# Altium PCB WiPy_Eval.PcbDoc (part 2 of 2)
Units mm, origin at the board's own origin, x right, y up, seen from the top; angles counter-clockwise.
Board outline 75 x 90 mm, 2 copper layers (Top Layer, Bottom Layer), stack 1.621 mm thick; 158 components, 120 nets, 580 pads, 606 vias.
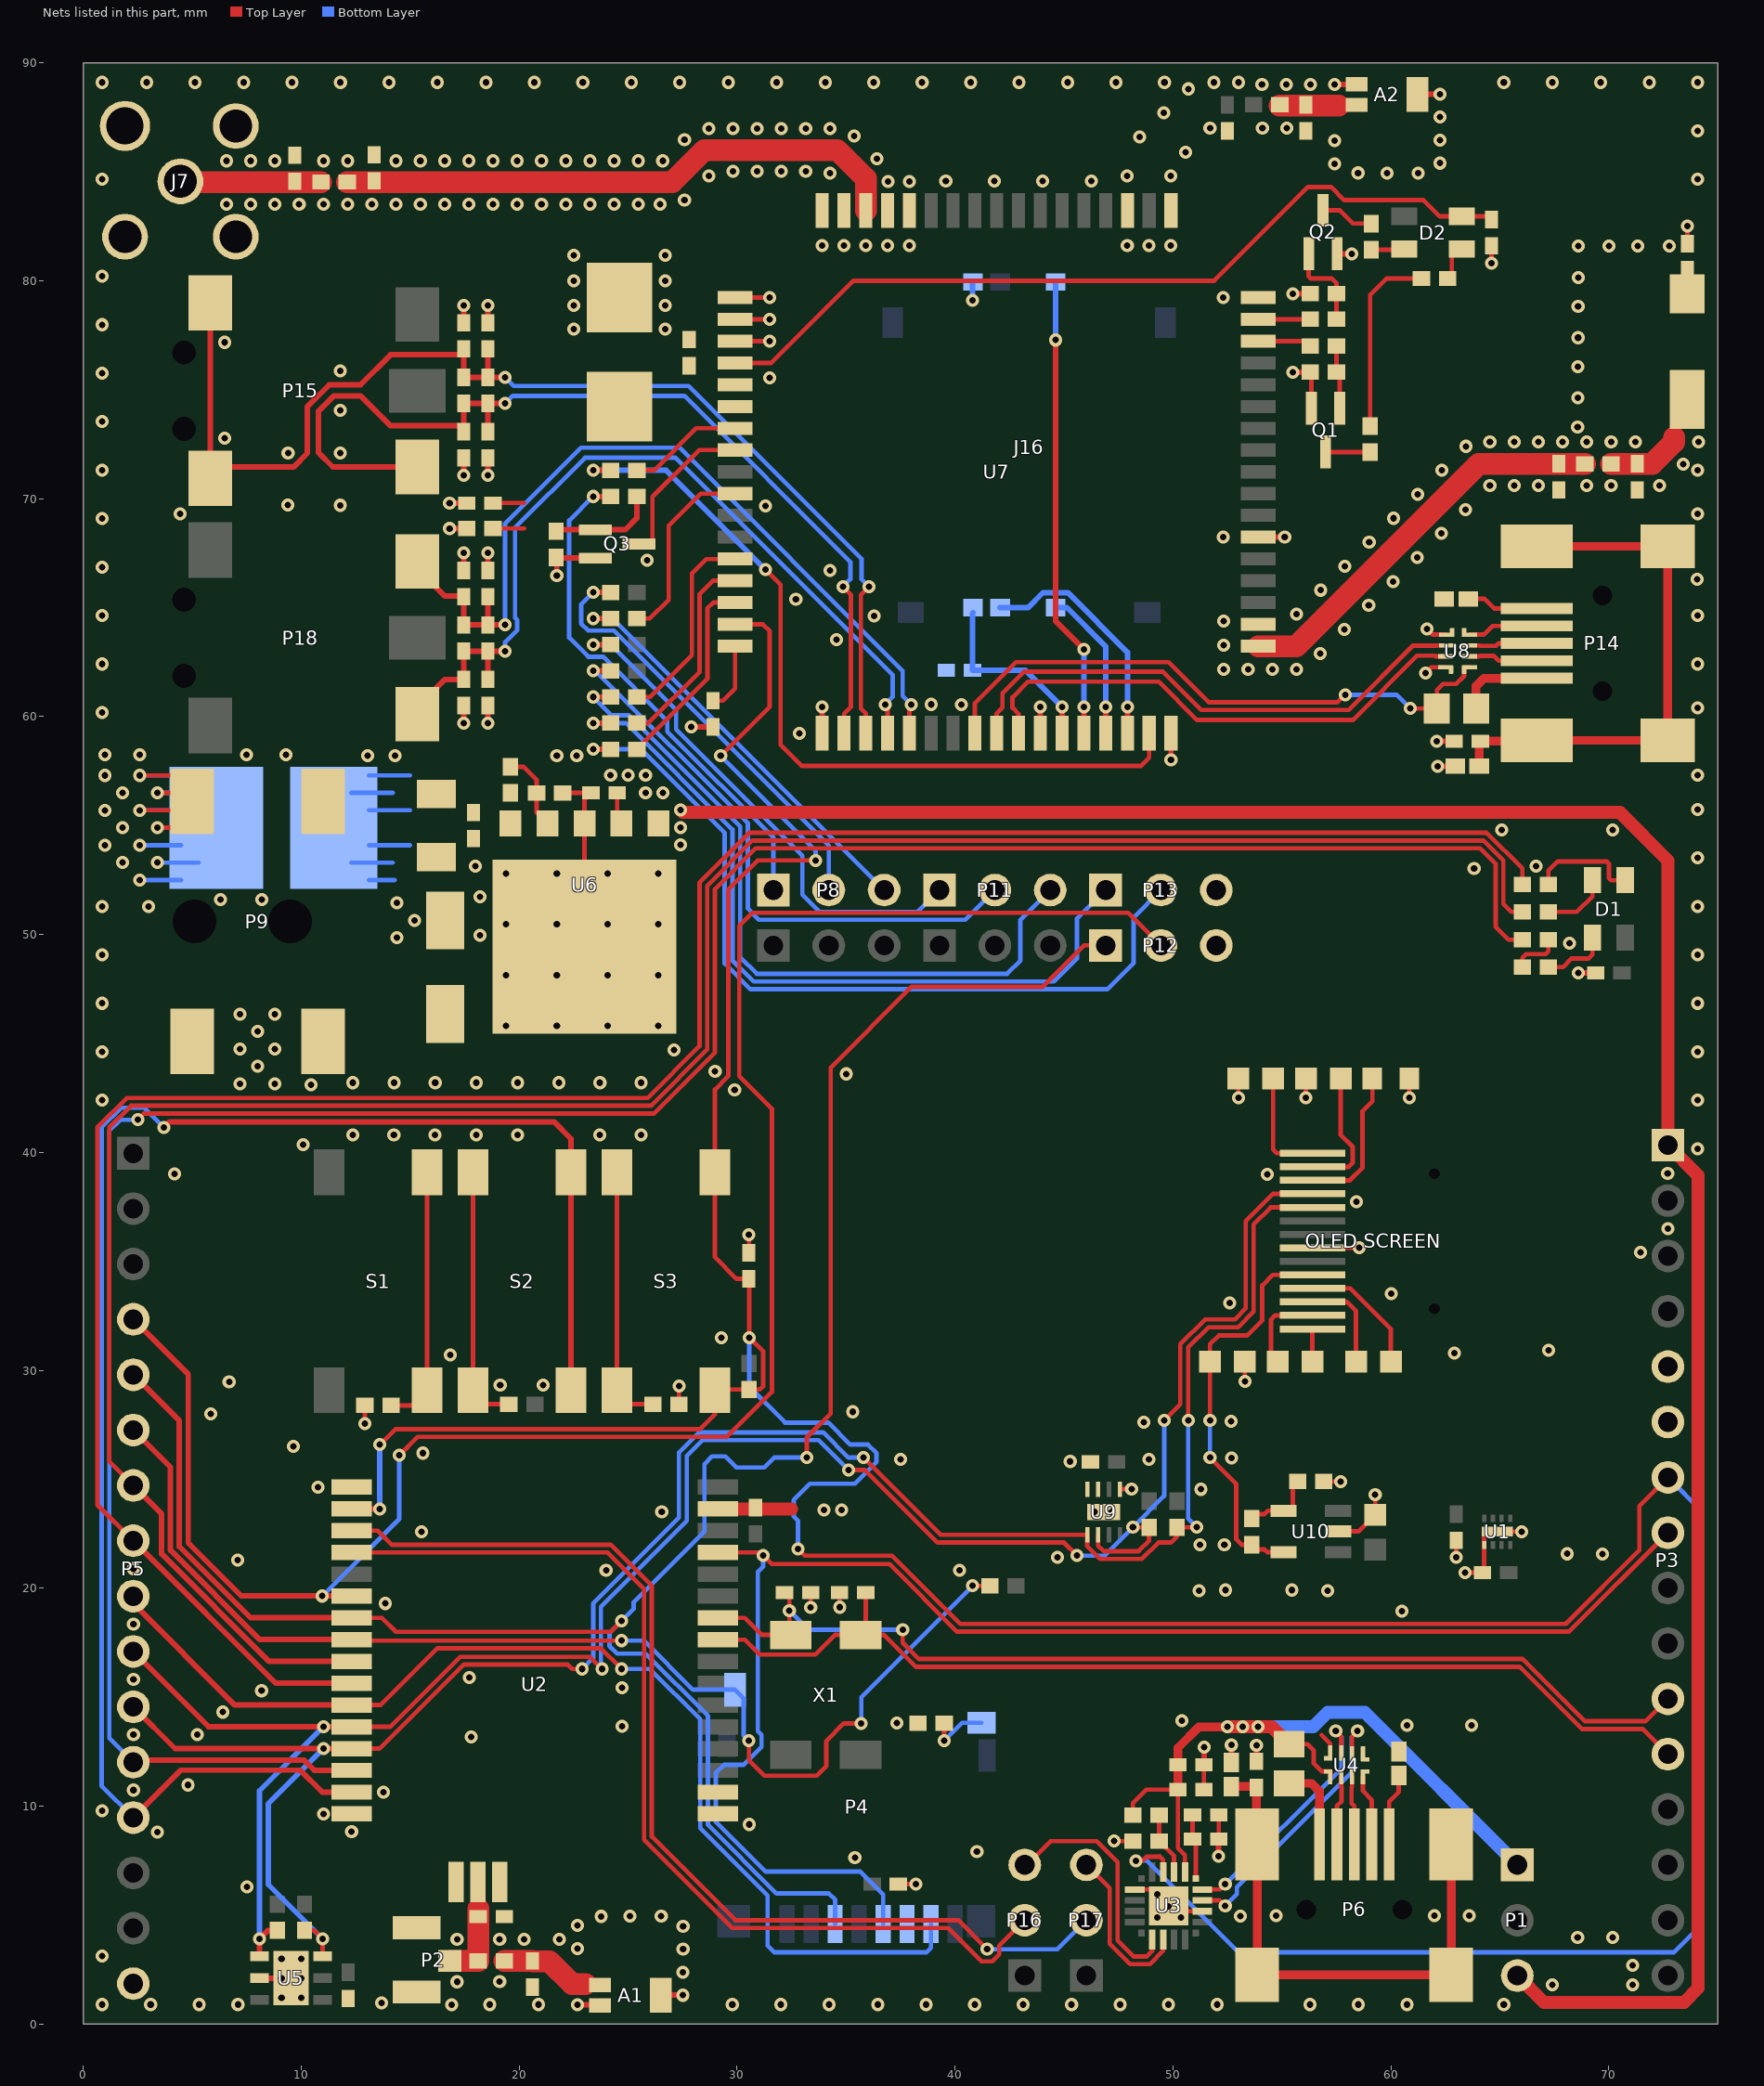
[diagram p2: the nets of this part, all layers, seen from the top]

## Via types
v1: diameter 0.6, hole 0.3, Top Layer to Bottom Layer, tented both sides, 584 vias
v2: diameter 0.6, hole 0.3, Top Layer to Bottom Layer, tented bottom, 22 vias

## Nets (pads, with @x,y where several pads share a name; then routed paths per layer and width w, separated by ;. In a path a pad name is that pad's centre, name@x,y a point inside that pad or via, vN(x,y) a via of type N, cw(c..) or ccw(c..) an arc to the next point about the centre after c; other vN are vias at no path point) (continued)
GND: "OLED SCREEN.7" A1.2 A1.3 A2.1 A2.2 C1.1 C2.1 C3.1 C4.2 C5.1 C6.1 C7.1 C8.1 C9.1 C10.1 C11.1 C12.1 C13.1 C14.1 C15.1 C16.1 C17.1 C19.1 C20.1 C21.1 C22.2 C23.1 C24.1 C25.1 C26.1 C27.1 C28.1 C29.1 C30.1 C31.2 C32.2 C35.1 C36.1 C37.1 C38.2 C39.2 C40.1 C43.1 C44.1 C46.1 C47.1 C48.1 C49.1 C51.1 C53.1 C54.1 D3.1 FB1.2 FB2.2 FB3.2 FB4.2 J7.2 J7.3 J7.4 J7.5 J16.10 P2.2 P2.3 P3.5 P3.6 P4.6 P5.16 P9.2 P9.3 P12.3 P13.3 Q1.2 Q2.2 Q3.2 R1.2 R7.2 R10.2 R12.2 R15.1 R22.1 R23.2 R25.1 R26.2 R42.2 R43.2 U1.0 U1.5 U2.1 U2.16 U2.17 U2.19 U2.20 U2.21 U2.34 U3.3 U3.12 U3.EP U4.5 U4.8 U5.0 U5.2 U6.3 U6.6 U7.1 U7.2 U7.3 U7.18 U7.28 U7.34 U7.36 U7.40 U7.51 U7.52 U7.54 U7.64 U7.65 U7.67 U7.68 U8.5 U8.8 U9.1 U9.3 U9.4 U9.EP U10.2 | length 79.4
  Top Layer w0.203: v1(12.928,27.561) R1.2@12.928,28.392 ; R23.2@22,56.5 C7.1@23.3,56.5 23,56.2 U6.3@23,55.1 U6.6@23,49.445 ; R7.2@27.336,28.448 v1(27.336,29.279) ; U7.3@29.91,77.23 v1(31.5,77.23) ; U7.2@29.91,78.23 v1(31.5,78.23) ; U7.1@29.91,79.23 v1(31.5,79.23) ; C5.1@30.546,35.398 v1(30.546,36.229) ; v1(33.38,19.12) C10.1@33.38,19.8 ; v1(34.706,19.132) C9.1@34.706,19.812 ; C11.1@37.4,6.431 v1(38.2,6.431) ; v1(47.3,8.4) 48.161,8.4 R15.1@48.163,8.398 ; U9.1@47.57,24.55 v1(48.1,24.55) ; U3.12@48.25,6.181 49.05,6.181 U3.EP@49.8,5.431 50.05,5.181 U3.3@51.35,5.181 ; C14.1@51.426,10.763 C13.1@51.426,11.906 ; C15.1@52.1,8.5 C16.1@52.1,9.6 ; v1(53,42.5) C48.1@53,43.4 ; v1(53.3,29.5) C49.1@53.3,30.4 ; v1(56.1,42.5) C51.1@56.1,43.4 ; R22.1@56.3,75.8 56.35,75.75 Q1.2@56.35,74.15 ; 56.4,35.62 v1(58.548,35.62) ; 56.82,13.28 57.22,12.88 U4.8@57.22,12.448 ; R42.2@56.92,24.9 v1(57.7,24.9) ; U10.2@57.58,22.61 58.51,22.61 C53.1@59.28,23.38 v1(59.28,24.3) 59.28,24.48 v1@59.3,24.5 ; v1(60.85,42.5) R43.2@60.85,43.4 ; v1(61.6,62) 61.86,62.26 U8.8@62.51,62.26 ; v1(61.65,64.02) 61.91,63.76 U8.5@62.56,63.76 ; v1(63,21.421) C2.1@63,22.2 ; v1(63.4,20.72) C1.1@64.2,20.72 64.28,20.8 U1.5@64.28,21.99 U1.0@64.28,22.55 ; v1(64.62,80.8) C23.1@64.62,81.6 ; U1.0@65.1,22.6 v1(66,22.6) ; C46.1@73.6,81.7 v1(73.6,82.5)
  Top Layer w0.254: U5.2@8.086,2.11 U5.0@9.536,2.11 ; v1(16.81,68.63) R10.2@17.61,68.63 ; v1(16.81,69.8) C20.1@17.61,69.8 ; v1(17.46,59.705) C38.2@17.46,60.505 ; C43.1@17.46,66.705 v1(17.46,67.505) ; v1(17.46,71.07) C31.2@17.46,71.87 ; C36.1@17.46,78.07 v1(17.46,78.87) ; v1(18.56,59.705) C39.2@18.56,60.505 ; C44.1@18.56,66.705 v1(18.56,67.505) ; v1(18.56,71.07) C32.2@18.56,71.87 ; C35.1@18.56,78.07 v1(18.56,78.87) ; R26.2@21.7,67.3 R26.2@21.73,67.27 ; v1(21.73,66.47) R26.2@21.73,67.27 ; v1(22.684,0.881) A1.3@23.687,0.881 ; Q3.2@23.5,67.27 R26.2@21.73,67.27 ; A1.2@26.507,1.328 v1(27.521,1.328) ; v1(27.9,59.528) 28.888,59.528 C24.1@28.891,59.532 ; U7.18@33.91,59.23 v1(33.91,60.447) ; U7.28@43.91,59.23 v1(43.91,60.447) ; v1(49.91,58.013) U7.34@49.91,59.23 ; C13.1@51.426,11.906 v1(51.426,12.706) ; v1(52.1,7.7) C15.1@52.1,8.5 ; FB2.2@52.68,12.008 v1(52.68,12.808) ; C12.1@53.83,12.058 v1(53.83,12.8) ; U7.40@53.91,68.23 v1(55.127,68.23) ; v1(55.5,75.8) R22.1@56.3,75.8 ; v1(55.5,79.4) R25.1@56.3,79.4 ; v1(57.42,89.01) A2.1@58.423,89.01 ; Q2.2@57.53,81.237 v1(58.2,81.237) ; A2.2@61.243,88.563 v1(62.257,88.563) ; v1(62.1,58.87) C37.1@62.9,58.87 ; v1(62.15,57.72) FB4.2@62.95,57.72 ; v1(68.6,48.24) C3.1@69.4,48.24
  Top Layer w0.6: U2.34@29.115,23.645 30.79,23.645 C8.1@30.845,23.7 30.9,23.645 32.5,23.645
  Bottom Layer w0.254: v1(40.8,79.1) 40.8,79.915 J16.10@40.83,79.945
  other v1: 0.87,0.9 3.094,0.9 5.318,0.9 7.1,0.9 16.9,0.881 18.662,0.9 20.886,0.9 29.782,0.9 32.006,0.9 34.23,0.9 36.454,0.9 38.678,0.9 40.902,0.9 43.126,0.9 45.35,0.9 47.574,0.9 49.798,0.9 52.022,0.9 56.284,0.9 58.508,0.9 60.732,0.9 65.18,0.9 13.696,0.981 67.4,1.798 71.1,1.8 17.152,1.944 19.11,1.951 27.522,2.384 71.1,2.7 0.87,3.124 27.523,3.44 22.684,3.472 17.152,3.891 19.11,3.891 20.222,3.891 21.849,3.891 68.567,3.982 70.177,3.978 27.525,4.496 22.685,4.528 49.274,4.9 50.374,4.9 23.756,4.946 25.083,4.957 26.522,4.957 53.09,4.949 54.74,4.974 61.99,4.978 63.6,4.974 49.8,5.414 49.274,5.966 7.506,6.304 35.406,7.647 41.006,7.92 3.406,8.82 12.315,8.836 30.552,9.164 11.022,9.645 0.87,9.796 13.78,10.645 2.306,10.74 4.806,10.976 17.8,13.171 2.306,13.28 5.232,13.28 24.724,13.673 60.738,13.72 63.706,13.72 37.338,13.82 50.406,13.931 6.406,14.32 8.185,15.3 24.724,15.444 2.306,15.82 17.714,15.9 2.306,18.36 60.5,18.958 13.858,19.304 51.206,19.894 57.106,19.897 52.406,19.92 55.458,19.92 23.99,20.824 40.206,20.82 2.306,20.9 7.095,21.3 44.694,21.428 68.09,21.583 69.7,21.579 51.245,21.993 52.358,21.993 15.514,22.6 26.545,23.504 46.4,23.5 47.2,23.5 33.983,23.6 34.797,23.6 51.28,24.543 10.767,24.645 45.286,25.82 48.906,25.92 37.5,25.923 52.686,25.98 15.59,26.204 9.649,26.506 48.658,27.626 52.667,27.67 5.845,27.999 35.308,28.1 19.132,29.32 21.106,29.32 6.695,29.471 16.836,30.7 62.906,30.786 67.235,30.92 29.279,31.5 52.6,33.1 60.02,33.52 71.447,35.42 72.71,36.5 58.416,37.73 54.334,38.992 4.195,39.008 72.7,39.03 74.076,40.172 10.095,40.359 12.365,40.8 14.255,40.8 16.145,40.8 18.035,40.8 19.925,40.8 23.705,40.8 25.595,40.8 0.87,42.396 74.076,42.396 29.889,42.873 10.45,43.1 7.2,43.15 8.8,43.15 12.37,43.2 14.26,43.2 16.15,43.2 18.04,43.2 19.93,43.2 21.82,43.2 23.71,43.2 25.6,43.2 35.008,43.604 28.992,43.72 8,43.95 0.87,44.62 74.076,44.62 27.1,44.7 7.2,44.75 8.8,44.75 8,45.55 7.2,46.35 8.8,46.35 0.87,46.844 74.076,46.844 0.87,49.068 74.076,49.068 68.201,49.6 18.2,49.955 0.87,51.292 3,51.292 74.076,51.292 6.3,51.6 8.19,51.6 18.2,51.723 63.817,53.035 18,53.141 66.66,53.143 74.076,53.516 65.08,54.8 70.183,54.8 74.076,55.74 74.075,57.31 13.05,58.2 14.3,58.202 21.73,58.2 22.645,58.202 1,58.252 2.6,58.252 7.5,58.252 9.3,58.252 32.868,59.23 0.87,60.188 74.075,60.4 38.91,60.56 40.3,60.547 52.334,62.16 53.446,62.16 54.558,62.16 55.67,62.16 0.87,62.412 74.076,62.412 56.759,62.9 52.334,63.272 34.559,63.535 57.871,64 52.334,64.384 36.295,64.622 0.87,64.636 74.076,64.636 55.668,64.7 58.983,65.1 32.7,65.39 56.78,65.8 60.095,66.2 74.052,66.3 34.26,66.705 0.87,66.86 57.892,66.9 25.87,67.174 61.207,67.3 59.004,68 52.3,68.234 62.319,68.4 0.87,69.084 60.116,69.1 4.442,69.3 74.076,69.3 63.431,69.5 31.3,69.673 9.395,69.7 11.795,69.695 61.228,70.2 64.543,70.6 65.655,70.6 66.767,70.6 68.991,70.6 70.103,70.6 72.327,70.6 0.87,71.308 62.34,71.3 74.076,71.308 73.412,71.578 11.8,72.095 9.4,72.1 63.452,72.4 64.543,72.6 65.655,72.6 66.767,72.6 67.879,72.6 68.991,72.6 70.103,72.6 71.215,72.6 74.112,72.602 6.5,72.768 68.567,73.292 0.87,73.532 11.8,74.055 68.578,74.619 31.5,75.548 0.87,75.756 11.8,75.855 68.578,76.058 6.5,77.173 68.589,77.385 22.5,77.778 26.7,77.778 0.87,77.98 68.589,78.823 22.5,78.87 26.7,78.87 52.3,79.234 22.5,80 26.7,80 68.6,80.151 0.87,80.204 22.5,81.162 26.7,81.162 68.6,81.589 71.327,81.589 72.766,81.589 33.906,81.62 34.906,81.62 35.906,81.62 36.906,81.62 37.906,81.62 47.906,81.62 48.906,81.62 49.906,81.62 70,81.6 26.476,83.5 6.572,83.51 7.684,83.51 8.796,83.51 9.908,83.51 11.02,83.51 12.132,83.51 13.244,83.51 14.356,83.51 15.468,83.51 16.58,83.51 17.692,83.51 18.804,83.51 19.916,83.51 21.028,83.51 22.14,83.51 23.252,83.51 24.364,83.51 25.476,83.51 27.588,83.702 36.925,84.56 37.9,84.56 39.58,84.58 41.804,84.58 44.028,84.58 46.252,84.58 0.87,84.652 74.076,84.652 28.7,84.8 47.9,84.8 49.899,84.8 34.26,84.934 58.493,84.945 59.82,84.934 61.258,84.934 29.812,85.019 30.924,85.019 32.036,85.019 33.148,85.019 57.422,85.363 62.261,85.395 6.572,85.5 7.684,85.5 8.796,85.5 11.02,85.5 12.132,85.5 14.356,85.5 15.468,85.5 16.58,85.5 17.692,85.5 18.804,85.5 19.916,85.5 21.028,85.5 22.14,85.5 23.252,85.5 24.364,85.5 25.476,85.5 26.588,85.5 36.423,85.6 50.588,85.897 57.42,86.419 27.588,86.465 62.26,86.451 48.476,86.6 35.369,86.636 74.076,86.876 28.7,86.973 29.812,86.973 30.924,86.973 32.036,86.973 33.148,86.973 34.26,86.973 51.7,86.997 54.106,87 55.218,87 62.258,87.507 49.588,87.7 50.7,88.8 54.084,89.01 55.196,89.01 56.308,89.01 0.87,89.1 2.908,89.1 5.132,89.1 7.356,89.1 9.58,89.1 11.804,89.1 14.028,89.1 16.252,89.1 18.476,89.1 20.7,89.1 22.924,89.1 25.148,89.1 27.372,89.1 29.596,89.1 31.82,89.1 34.044,89.1 36.268,89.1 38.492,89.1 40.716,89.1 42.94,89.1 45.164,89.1 47.388,89.1 49.612,89.1 51.888,89.1 53,89.1 65.18,89.1 67.404,89.1 69.628,89.1 71.852,89.1 74.076,89.1
  other v2: 9.1,1.2 10,1.2 9.1,2.1 10,2.1 9.1,3 10,3 19.4,45.81 21.73,45.81 24.06,45.81 26.39,45.81 19.4,48.14 21.73,48.14 24.06,48.14 26.39,48.14 19.4,50.47 21.73,50.47 24.06,50.47 26.39,50.47 19.4,52.8 21.73,52.8 24.06,52.8 26.39,52.8
"GPS ANTENNA": C29.2 R37.2 U7.35 | length 18.5
  Top Layer w1: U7.35@53.91,63.23 55.67,63.23 64.04,71.6 C29.2@67.7,71.6 R37.2@68.9,71.6
"GSM ANTENNA": C27.2 R32.2 U7.66 | length 26.4
  Top Layer w1: R32.2@12.11,84.53 27.03,84.53 28.5,86 34.6,86 35.91,84.69 U7.66@35.91,83.23
LED_B: P5.8 R6.2 U2.10 | length 109.6
  Top Layer w0.203: P5.8@2.3,22.18 0.652,23.828 0.652,41.152 2,42.5 25.9,42.5 28.275,44.875 28.275,52.381 30.559,54.665 64.395,54.665 66.029,53.031 R6.2@66.029,52.304
  Top Layer w0.254: P5.8@2.3,22 P5.8@2.48,22 ; P5.8@2.3,22.18 P5.8@2.48,22 ; P5.8@2.71,22 P5.8@2.48,22 ; U2.10@12.315,15.645 8.835,15.645 P5.8@2.48,22
LED_G: P5.7 R4.2 U2.9 | length 108.5
  Top Layer w0.203: P5.7@2.3,24.72 1.2,25.82 1.2,41.152 2.193,42.144 26.047,42.144 28.63,44.728 28.63,52.233 30.707,54.31 64.248,54.31 65.16,53.397 65.16,51.4 65.526,51.034 R4.2@66.029,51.034
  Top Layer w0.254: P5.7@2.3,24.72 3.6,23.42 3.6,21.577 8.532,16.645 U2.9@12.315,16.645
LED_R: P5.12 R2.2 U2.14 | length 118
  Top Layer w0.203: v1(2.5,41.5) 2.789,41.789 26.195,41.789 28.986,44.58 28.986,52.086 30.854,53.954 64.1,53.954 64.804,53.25 64.804,50.356 65.396,49.764 R2.2@66.029,49.764
  Top Layer w0.254: P5.12@2.1,11.9 2.311,12.111 10.144,12.111 10.61,11.645 U2.14@12.315,11.645
  Bottom Layer w0.203: P5.12@2.3,12.02 1.2,13.12 1.2,41 1.7,41.5 v1(2.5,41.5)
LXO1: C9.2 P3.12 U2.28 X1.4 | length 48.6
  Top Layer w0.203: U2.28@29.115,17.645 30.355,17.645 31.041,16.959 33.589,16.959 34.493,17.863 X1.4@35.671,17.863 ; C9.2@35.906,19.812 35.906,18.098 X1.4@35.671,17.863 ; P3.12@72.71,12.39 71.556,13.544 68.756,13.544 65.9,16.4 38.2,16.4 36.737,17.863 X1.4@35.671,17.863
LXO2: C10.2 P3.11 U2.29 X1.1 | length 49.1
  Top Layer w0.203: U2.29@29.115,18.645 30.355,18.645 31.137,17.863 X1.1@32.471,17.863 32.18,18.154 32.4,18.374 v1(32.4,18.977) 32.4,19.58 C10.2@32.18,19.8 ; v1(37.6,18.1) 37.6,17.503 38.347,16.756 66.047,16.756 68.903,13.9 71.68,13.9 P3.11@72.71,14.93
  Bottom Layer w0.203: v1(32.4,18.977) 33.277,18.1 v1(37.6,18.1)
MCU_RX: P17.2 U2.3 | length 49
  Top Layer w0.203: U2.3@12.315,22.645 13.505,22.645 14.15,22.001 16.547,22.001 24.205,22 26.089,20.116 26.089,8.605 29.924,4.77 40.145,4.77 v1(41.475,3.44)
  Bottom Layer w0.203: v1(41.475,3.44) 44.7,3.44 P17.2@46.03,4.77
MCU_TX: P16.2 U2.4 | length 46.4
  Top Layer w0.203: U2.4@12.315,21.645 24.058,21.645 25.733,19.969 25.733,8.458 29.777,4.415 39.685,4.415 41.214,2.886 41.704,2.886 42.029,3.21 42.029,3.599 P16.2@43.2,4.77
MIC_N: C33.1 C34.1 C35.2 C36.2 P15.4 U7.20 | length 55.9
  Top Layer w0.203: U7.20@35.91,59.23 35.91,60.132 35.683,60.359 35.683,65.583 v1(36.054,65.954)
  Top Layer w0.254: P15.4@5.83,70.93 P15.4@5.83,71.45 ; P15.4@5.83,78.98 P15.4@5.83,71.45 ; C35.2@18.56,76.87 C33.1@18.56,75.57 ; v1(19.36,75.57) C33.1@18.56,75.57 ; P15.4@5.83,71.45 9.647,71.45 10.292,72.095 10.292,74.226 11.29,75.224 12.724,75.224 14.1,76.6 17.19,76.6 C36.2@17.46,76.87 C34.1@17.46,75.57 C33.1@18.56,75.57
  Bottom Layer w0.203: v1(19.36,75.57) 19.757,75.173 27.773,75.173 35.708,67.239 35.708,66.3 v1(36.054,65.954)
MIC_P: C31.1 C32.1 C33.2 C34.2 P15.3 U7.19 | length 46.3
  Top Layer w0.203: v1(34.854,65.954) 35.225,65.583 35.225,60.447 34.91,60.132 U7.19@34.91,59.23
  Top Layer w0.254: P15.3@15.33,71.455 11.455,71.455 10.8,72.11 10.8,74.016 11.5,74.716 12.724,74.716 14.1,73.34 17.19,73.34 C31.1@17.46,73.07 C34.2@17.46,74.37 C33.2@18.56,74.37 ; C32.1@18.56,73.07 C33.2@18.56,74.37 ; v1(19.36,74.37) C33.2@18.56,74.37
  Bottom Layer w0.203: v1(19.36,74.37) 19.706,74.716 27.584,74.716 35.2,67.1 35.2,66.3 v1(34.854,65.954)
NetA1_1: A1.1 C4.1 R8.1 | length 4.2
  Top Layer w1: R8.1@19.322,2.903 C4.1@20.61,2.903 20.622,2.891 21.384,2.891 22.44,1.835 23.051,1.835
NetA2_1: A2.3 C26.2 R27.1 | length 2.7
  Top Layer w1: R27.1@54.9,88.033 57.6,88.033
NetA3_1: A3.1 C30.2 R37.1 | length 3.5
  Top Layer w1: R37.1@70.1,71.6 C30.2@71.3,71.6 71.998,71.6 73,72.602 73,72.8
NetA3_2: A3.2 C46.2
NetC6_2: C6.2 P2.1 R8.2 U2.18 | length 3.7
  Top Layer w0.9: C6.2@18.11,4.957 C6.2@18.122,4.945
  Top Layer w1: P2.1@16.822,2.903 R8.2@18.122,2.903 C6.2@18.122,4.945 18.122,5.291
NetC12_2: C12.2 FB2.1 P6.0 | length 24.6
  Top Layer w0.4: FB2.1@52.68,10.908 53.78,10.908 C12.2@53.83,10.858 P6.0@53.83,8.298 ; P6.0@53.87,8.258 P6.0@53.87,2.258 P6.0@62.77,2.258 P6.0@62.77,8.258
NetC24_2: C24.2 U7.17 | length 3.2
  Top Layer w0.203: C24.2@28.891,60.732 29.354,60.732 29.91,61.288 U7.17@29.91,63.23
NetC28_2: C28.2 J7.1 R32.1 | length 6.5
  Top Layer w1: J7.1@4.46,84.56 4.49,84.53 R32.1@10.91,84.53
NetC37_2: C37.2 FB4.1 P14.0 | length 24.7
  Top Layer w0.4: FB4.1@64.05,57.72 64.05,58.82 C37.2@64.1,58.87 66.66,58.87 P14.0@66.7,58.91 P14.0@72.7,58.91 P14.0@72.7,67.81 P14.0@66.7,67.81
NetC48_2: "OLED SCREEN.14" C48.2 | length 5.1
  Top Layer w0.203: C48.2@54.6,43.4 54.6,40.13 54.77,39.96 56.4,39.96
NetC49_2: "OLED SCREEN.5" C49.2 R41.1 U10.5 | length 18.8
  Top Layer w0.203: v1(51.7,26) 52.9,24.8 52.9,22.256 53.156,22 R41.1@53.62,22 53.84,21.78 54.2,21.78 54.32,21.66 U10.5@55.08,21.66 ; v1(51.7,27.701) C49.2@51.7,30.4 51.7,31.2 52.1,31.6 53.4,31.6 54.1,32.3 54.1,33.9 54.58,34.38 56.4,34.38
  Bottom Layer w0.203: v1(51.7,26) v1(51.7,27.701)
NetC50_1: "OLED SCREEN.2" C50.1 | length 4
  Top Layer w0.203: C50.1@54.8,30.4 54.5,30.7 54.5,32.34 54.68,32.52 56.4,32.52
NetC50_2: "OLED SCREEN.1" C50.2 | length 1.5
  Top Layer w0.203: C50.2@56.4,30.4 56.4,31.9
NetC51_2: "OLED SCREEN.13" C51.2 | length 6
  Top Layer w0.203: 56.4,39.34 58.06,39.34 58.249,39.529 58.249,40.251 57.7,40.8 C51.2@57.7,43.4
NetC52_1: "OLED SCREEN.4" C52.1 | length 5.9
  Top Layer w0.203: 56.4,33.76 58.139,33.76 60,31.899 C52.1@60,30.4
NetC52_2: "OLED SCREEN.3" C52.2 | length 4.5
  Top Layer w0.203: 56.4,33.14 57.983,33.14 58.4,32.723 C52.2@58.4,30.4
NetD1_1: D1.1 R3.1 | length 3
  Top Layer w0.203: R3.1@67.229,48.5 67.9,48.5 68.3,48.9 69.071,48.9 69.246,49.075 D1.1@69.246,49.851
NetD1_2: D1.2 R4.1 | length 3.1
  Top Layer w0.203: R4.1@67.229,51.034 68.534,51.034 69.246,51.746 D1.2@69.246,52.491
NetD1_3: D1.3 R6.1 | length 5.1
  Top Layer w0.203: R6.1@67.229,52.304 67.229,52.929 67.65,53.35 69.904,53.35 70,53.254 70,52.6 70.109,52.491 D1.3@70.746,52.491 D1.3@70.763,52.491
NetD2_1: D2.1 R19.1 | length 1.8
  Top Layer w0.203: R19.1@62.6,80.1 62.8,80.3 62.8,81.35 62.9,81.45 D2.1@63.25,81.45
NetD2_2: D2.2 R21.1 | length 1.5
  Top Layer w0.203: R21.1@59.1,81.42 60.58,81.42 D2.2@60.61,81.45
NetD3_2: F3.1 P9.1 | length 19
  Top Layer w0.203: v1(2.6,55.7) P9.1@4.5,55.7 ; v1(2.6,57.3) P9.1@4.5,57.3 ; v1(3.4,54.9) P9.1@5.3,54.9 ; v1(3.4,56.5) P9.1@5.3,56.5
  Bottom Layer w0.203: v1(2.6,52.5) F3.1@4.5,52.5 ; v1(2.6,54.1) F3.1@4.5,54.1 ; v1(2.6,55.7) F3.1@4.5,55.7 ; v1(2.6,57.3) F3.1@4.5,57.3 ; v1(3.4,53.3) F3.1@5.3,53.3 ; v1(3.4,56.5) F3.1@5.3,56.5
  other v1: 1.8,53.3 1,54.1 1.8,54.9 1,55.7 1.8,56.5 1,57.3
NetF1_2: F1.2 P6.1 | length 4
  Top Layer w0.4: F1.2@55.33,11.048 56.36,11.048 56.72,10.688 P6.1@56.72,8.258
NetF2_2: F2.2 P14.1 | length 4
  Top Layer w0.4: F2.2@63.91,60.37 63.91,61.4 64.27,61.76 P14.1@66.7,61.76
NetFB1_1: FB1.1 P6.5 | length 3.3
  Top Layer w0.203: P6.5@59.92,8.258 59.92,10.218 60.36,10.658 FB1.1@60.36,11.408
NetFB3_1: FB3.1 P14.5 | length 3.3
  Top Layer w0.203: FB3.1@63.55,65.4 64.3,65.4 64.74,64.96 P14.5@66.7,64.96